# Altium PCB PCB SOM AM625.PcbDoc (part 2 of 6) (continued)
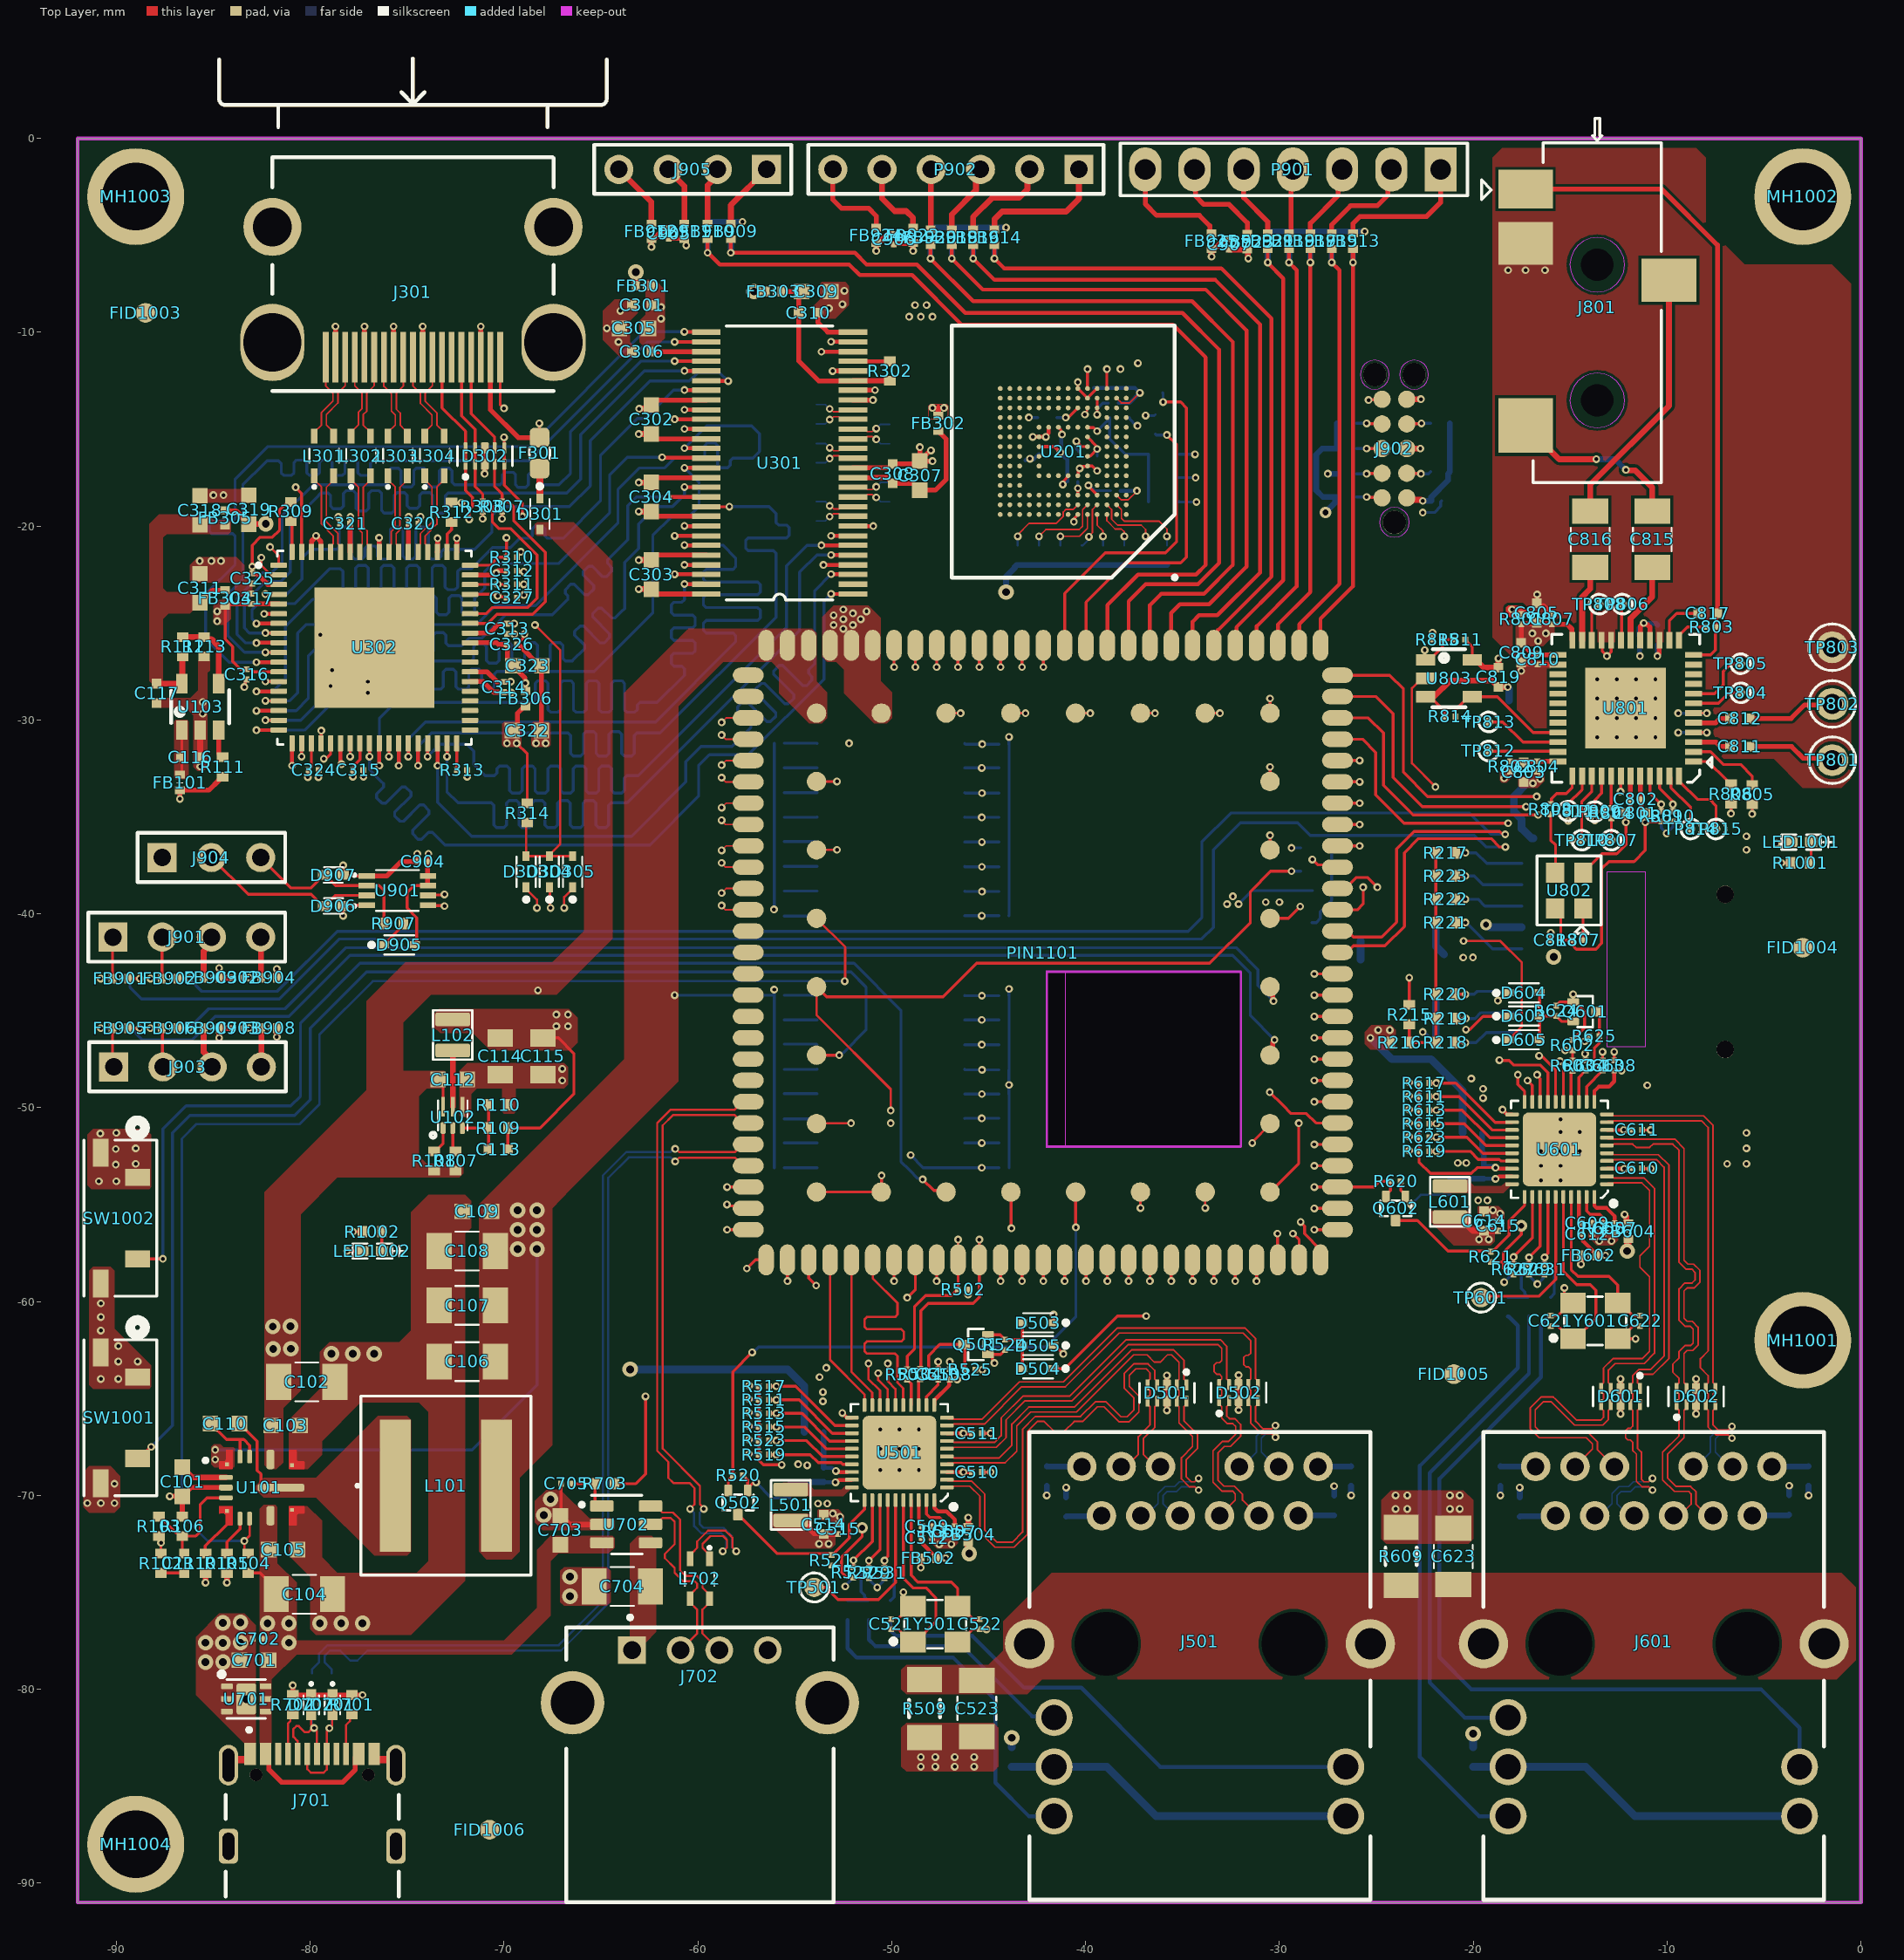
[diagram p0: Top Layer view]
## Part data (continued)
R701 R702: library part AC0402FR-075K1L, "SMD Chip Resistor, 5.1 kOhm, ± 1%, 63 mW, 0402 [1005 Metric], Thick Film, General Purpose", Case/Package=0402, Case Code (Metric)=1005, Manufacturer=Yageo, Max Operating Temperature=155°C, Max Power Dissipation=63mW, Min Operating Temperature=-55°C, Resistance=5.1kR, Supplier Part Number 1=8112408, Temperature Coefficient=100ppm/°C, Tolerance=1%, Voltage Rating=50V, Case Code (Imperial)=0402, Category="Chip SMD Resistors", ComponentLink1Description=https://datasheet.octopart.com/AC0402FR-075K1L-Yageo-datasheet-166720450.pdf?src-supplier=Future+Electronics, ComponentLink1URL=https://datasheet.octopart.com/AC0402FR-075K1L-Yageo-datasheet-166720450.pdf?src-supplier=Future+Electronics, ComponentLink2Description=http://www.yageo.com/documents/recent/PYu-AC_51_RoHS_L_2_revised.pdf?src-supplier=Future+Electronics, ComponentLink2URL=http://www.yageo.com/documents/recent/PYu-AC_51_RoHS_L_2_revised.pdf?src-supplier=Future+Electronics, Features="Moisture Resistant,Automotive AEC-Q200", Height=0.015inch, Lead Free=5697LeadFree, Length=0.039inch, Manufacturer Part Number=AC0402FR-075K1L, Mount="Surface Mount", Number of Terminations=2, Packaging="Cut Tape", Power Rating=63mW, Pricing 1="10000=0.0011, 50000=0.001, 200000=0.0009, 500000=0.0009, 1250000=0.0008 (USD)", RoHS=Yes, RoHS Compliant=Yes, Series=AC, Size Code=0402, Stock 1=10000, Supplier 1="Future Electronics", Width=0.02inch
R703: library part RC0402FR-071KL, "SMD Chip Resistor, 1 kOhm, ± 1%, 63 mW, 0402 [1005 Metric], Thick Film, General Purpose", Case/Package=0402, Case Code (Metric)=1005, Manufacturer=Yageo, Max Operating Temperature=155°C, Max Power Dissipation=63mW, Min Operating Temperature=-55°C, Power Rating=62.5mW, Resistance=1kR, Resistance Tolerance=1%, Resistor Type="Thick Film", Supplier Part Number 1=7825607, Temperature Coefficient=100ppm/°C, Voltage Rating=50V, Case Code (Imperial)=0402, Category="Chip SMD Resistors", ComponentLink1Description=https://datasheet.ciiva.com/11819/0900766b80c66297-11819477.pdf?src-supplier=Rs, ComponentLink1URL=https://datasheet.ciiva.com/11819/0900766b80c66297-11819477.pdf?src-supplier=Rs, ComponentLink2Description=https://datasheet.ciiva.com/7983/1018594-7983502.pdf?src-supplier=Element14, ComponentLink2URL=https://datasheet.ciiva.com/7983/1018594-7983502.pdf?src-supplier=Element14, ComponentLink3Description=https://datasheet.ciiva.com/22747/1018594-22747513.pdf?src-supplier=Element14, ComponentLink3URL=https://datasheet.ciiva.com/22747/1018594-22747513.pdf?src-supplier=Element14, ComponentLink4Description=https://datasheet.ciiva.com/12666/pyu-rc0402-51-rohs-l-6-r-12666741.pdf?src-supplier=Mouser, ComponentLink4URL=https://datasheet.ciiva.com/12666/pyu-rc0402-51-rohs-l-6-r-12666741.pdf?src-supplier=Mouser, ComponentLink5Description=https://datasheet.ciiva.com/7849/1018594-7849869.pdf?src-supplier=Element14, ComponentLink5URL=https://datasheet.ciiva.com/7849/1018594-7849869.pdf?src-supplier=Element14, ComponentLink6Description=https://datasheet.ciiva.com/7849/1018594-7849871.pdf?src-supplier=Element14, ComponentLink6URL=https://datasheet.ciiva.com/7849/1018594-7849871.pdf?src-supplier=Element14, ComponentLink7Description=https://datasheet.ciiva.com/17063/pyu-rc0402-51-rohs-l-6-r-17063193.pdf?src-supplier=Future+Electronics, ComponentLink7URL=https://datasheet.ciiva.com/17063/pyu-rc0402-51-rohs-l-6-r-17063193.pdf?src-supplier=Future+Electronics, Construction=Rectangular, Depth=0.5mm, Features="Moisture Resistant", Height=0.32mm, Length=1mm, Manufacturer Part Number=RC0402FR-071KL, Military Standard=Not, Number of Pins=2, Number of Terminations=2, Packaging="Tape and Reel", Pricing 1="10000=0.0008, 50000=0.0008, 250000=0.0007, 500000=0.0007, 1500000=0.0007 (USD)", Reach SVHC Compliant=No, RoHS=Yes, RoHS Compliant=Yes, Series=RC, Size Code=0402, Stock 1=37960000, Supplier 1="Future Electronics", Technology="THICK FILM", Termination=SMD/SMT, Tolerance=1%, Voltage Rating (AC)=50V, Voltage Rating (DC)=50V, Width=0.5mm
R1001: library part RC0402FR-072K2L, "SMD Chip Resistor, 2.2 kOhm, ± 1%, 63 mW, 0402 [1005 Metric], Thick Film, General Purpose", Case Code (Imperial)=0402, Case Code (Metric)=1005, Manufacturer=Yageo, Max Operating Temperature=155°C, Max Power Dissipation=63mW, Min Operating Temperature=-55°C, Power Rating=62.5mW, Resistance=2.2kR, Resistance Tolerance=1%, Resistor Type="Thick Film", Supplier Part Number 1=6626931, Temperature Coefficient=100ppm/°C, Voltage Rating=50V, Case/Package=0402, Category="Chip SMD Resistors", ComponentLink1Description=https://datasheet.ciiva.com/11808/0900766b80c66297-11808786.pdf?src-supplier=Rs, ComponentLink1URL=https://datasheet.ciiva.com/11808/0900766b80c66297-11808786.pdf?src-supplier=Rs, ComponentLink2Description=https://datasheet.ciiva.com/7983/1018594-7983515.pdf?src-supplier=Element14, ComponentLink2URL=https://datasheet.ciiva.com/7983/1018594-7983515.pdf?src-supplier=Element14, ComponentLink3Description=https://datasheet.ciiva.com/46383/1018594-46383563.pdf?src-supplier=Element14, ComponentLink3URL=https://datasheet.ciiva.com/46383/1018594-46383563.pdf?src-supplier=Element14, ComponentLink4Description=https://datasheet.ciiva.com/12577/pyu-rc0402-51-rohs-l-6-r-12577429.pdf?src-supplier=Mouser, ComponentLink4URL=https://datasheet.ciiva.com/12577/pyu-rc0402-51-rohs-l-6-r-12577429.pdf?src-supplier=Mouser, ComponentLink5Description=https://datasheet.ciiva.com/7849/1018594-7849929.pdf?src-supplier=Element14, ComponentLink5URL=https://datasheet.ciiva.com/7849/1018594-7849929.pdf?src-supplier=Element14, ComponentLink6Description=https://datasheet.ciiva.com/7849/1018594-7849928.pdf?src-supplier=Element14, ComponentLink6URL=https://datasheet.ciiva.com/7849/1018594-7849928.pdf?src-supplier=Element14, ComponentLink7Description=https://datasheet.ciiva.com/16741/pyu-rc0402-51-rohs-l-6-r-16741015.pdf?src-supplier=Future+Electronics, ComponentLink7URL=https://datasheet.ciiva.com/16741/pyu-rc0402-51-rohs-l-6-r-16741015.pdf?src-supplier=Future+Electronics, Construction=Rectangular, Depth=0.5mm, Features="Moisture Resistant", Height=0.35mm, Lead Free="Lead Free", Length=1mm, Manufacturer Part Number=RC0402FR-072K2L, Military Standard=Not, Number of Terminations=2, Packaging="Tape and Reel", Pricing 1="10000=0.0008, 50000=0.0008, 250000=0.0007, 500000=0.0007, 1500000=0.0007 (USD)", Reach SVHC Compliant=No, RoHS=Yes, RoHS Compliant=Yes, Series=RC, Size Code=0402, Stock 1=70000, Supplier 1="Future Electronics", Technology="THICK FILM", Termination=SMD/SMT, Tolerance=1%, Voltage Rating (AC)=50V, Weight=2.3E-05oz, Width=0.5mm
R1002: library part RC0402FR-072K2L, "SMD Chip Resistor, 2.2 kOhm, ± 1%, 63 mW, 0402 [1005 Metric], Thick Film, General Purpose", Case/Package=0402, Case Code (Metric)=1005, Manufacturer=Yageo, Max Operating Temperature=155°C, Max Power Dissipation=63mW, Min Operating Temperature=-55°C, Power Rating=62.5mW, Resistance=2.2kR, Resistance Tolerance=1%, Resistor Type="Thick Film", Supplier Part Number 1=6626931, Temperature Coefficient=100ppm/°C, Voltage Rating=50V, Case Code (Imperial)=0402, Category="Chip SMD Resistors", ComponentLink1Description=https://datasheet.ciiva.com/11808/0900766b80c66297-11808786.pdf?src-supplier=Rs, ComponentLink1URL=https://datasheet.ciiva.com/11808/0900766b80c66297-11808786.pdf?src-supplier=Rs, ComponentLink2Description=https://datasheet.ciiva.com/7983/1018594-7983515.pdf?src-supplier=Element14, ComponentLink2URL=https://datasheet.ciiva.com/7983/1018594-7983515.pdf?src-supplier=Element14, ComponentLink3Description=https://datasheet.ciiva.com/46383/1018594-46383563.pdf?src-supplier=Element14, ComponentLink3URL=https://datasheet.ciiva.com/46383/1018594-46383563.pdf?src-supplier=Element14, ComponentLink4Description=https://datasheet.ciiva.com/12577/pyu-rc0402-51-rohs-l-6-r-12577429.pdf?src-supplier=Mouser, ComponentLink4URL=https://datasheet.ciiva.com/12577/pyu-rc0402-51-rohs-l-6-r-12577429.pdf?src-supplier=Mouser, ComponentLink5Description=https://datasheet.ciiva.com/7849/1018594-7849929.pdf?src-supplier=Element14, ComponentLink5URL=https://datasheet.ciiva.com/7849/1018594-7849929.pdf?src-supplier=Element14, ComponentLink6Description=https://datasheet.ciiva.com/7849/1018594-7849928.pdf?src-supplier=Element14, ComponentLink6URL=https://datasheet.ciiva.com/7849/1018594-7849928.pdf?src-supplier=Element14, ComponentLink7Description=https://datasheet.ciiva.com/16741/pyu-rc0402-51-rohs-l-6-r-16741015.pdf?src-supplier=Future+Electronics, ComponentLink7URL=https://datasheet.ciiva.com/16741/pyu-rc0402-51-rohs-l-6-r-16741015.pdf?src-supplier=Future+Electronics, Construction=Rectangular, Depth=0.5mm, Features="Moisture Resistant", Height=0.35mm, Lead Free="Lead Free", Length=1mm, Manufacturer Part Number=RC0402FR-072K2L, Military Standard=Not, Number of Terminations=2, Packaging="Tape and Reel", Pricing 1="10000=0.0008, 50000=0.0008, 250000=0.0007, 500000=0.0007, 1500000=0.0007 (USD)", Reach SVHC Compliant=No, RoHS=Yes, RoHS Compliant=Yes, Series=RC, Size Code=0402, Stock 1=70000, Supplier 1="Future Electronics", Technology="THICK FILM", Termination=SMD/SMT, Tolerance=1%, Voltage Rating (AC)=50V, Weight=2.3E-05oz, Width=0.5mm
SW401 SW402: "Slide Dip Switch, 8 Switches, 8PST, Latched, 0.025A, 24VDC, Solder Terminal, Surface Mount-straight", Manufacturer="Wurth Electronics", Supplier Part Number 1=732-416131160808CT-ND, Category="DIP Switches", ComponentLink1Description=https://datasheet.ciiva.com/2863/4161311608xx-2863767.pdf?src-supplier=Digi-Key, ComponentLink1URL=https://datasheet.ciiva.com/2863/4161311608xx-2863767.pdf?src-supplier=Digi-Key, ComponentLink2Description=https://datasheet.ciiva.com/2863/4161311608xx-2863768.pdf?src-supplier=Digi-Key, ComponentLink2URL=https://datasheet.ciiva.com/2863/4161311608xx-2863768.pdf?src-supplier=Digi-Key, ComponentLink3Description=https://datasheet.ciiva.com/1528/4161311608xx-1528930.pdf?src-supplier=Element14, ComponentLink3URL=https://datasheet.ciiva.com/1528/4161311608xx-1528930.pdf?src-supplier=Element14, ComponentLink4Description=https://datasheet.ciiva.com/1625/4161311608xx-1625347.pdf?src-supplier=Farnell, ComponentLink4URL=https://datasheet.ciiva.com/1625/4161311608xx-1625347.pdf?src-supplier=Farnell, Manufacturer Part Number=416131160808, Pricing 1="1=6.8, 10=6.579, 50=6.233, 100=5.54, 500=5.19402 (USD)", RoHS=Yes, Stock 1=11089, Supplier 1=Digi-Key
SW1001 SW1002: "Switch Tactile N.O. SPST Rectangular Button Gull Wing 0.05A 12VDC 2.55N SMD", Contact Current Rating=50mA, Manufacturer=E-Switch, Supplier Part Number 1=EG4389CT-ND, Category="Tactile Switches", ComponentLink1Description=https://datasheet.ciiva.com/2900/p010951-2900788.pdf?src-supplier=Digikey, ComponentLink1URL=https://datasheet.ciiva.com/2900/p010951-2900788.pdf?src-supplier=Digikey, ComponentLink2Description=https://datasheet.ciiva.com/5284/tl3330-28043-5284129.pdf?src-supplier=Mouser, ComponentLink2URL=https://datasheet.ciiva.com/5284/tl3330-28043-5284129.pdf?src-supplier=Mouser, ComponentLink3Description=https://datasheet.ciiva.com/2900/tl3330-2900789.pdf?src-supplier=Digikey, ComponentLink3URL=https://datasheet.ciiva.com/2900/tl3330-2900789.pdf?src-supplier=Digikey, ComponentLink4Description=https://datasheet.ciiva.com/2900/tl3330-2900790.pdf?src-supplier=Digikey, ComponentLink4URL=https://datasheet.ciiva.com/2900/tl3330-2900790.pdf?src-supplier=Digikey, Height=3.75mm, Manufacturer Part Number=TL3330AF260QG, Number of Positions=2NUMBER, Pricing 1="1=0.51, 10=0.488, 25=0.47, 100=0.4068, 250=0.3706, 500=0.3435, 1000=0.30734 (USD)", RoHS=Yes, Stock 1=112482, Supplier 1=Digikey
TP501 TP601: library part "Test Point", "Test Point", Solder=NF
TP801 TP802 TP803: library part TESTPOINT, "TESTPOINT 1.0MM DRILL PTH", Mfr_Name=LOCAL, Mfr_part_number=TP_40X65, Mistral Part No=130009030938, Package=THRU-HOLE, Chkd/date=MAZHAR/271211, Crtd /date=SHREESHAIL/041005, Datasheet=NA, Distributor_name=NA, Distributor_part_number=NA, Height=NA, Library Ref=TESTPOINT, Part_type=TESTPOINT, PCB Footprint=TP_40X65, Project=HSE
TP804 TP805 TP806 TP807 TP808 TP809 TP810 TP811 TP812 TP813 TP814 TP815: library part TESTPOINT_1, "TESTPOINT CIR 20 SMD", Mfr_Name=LOCAL, Mistral Part No=NA, Package=SMD, Chkd/date=SHREESHAIL/171006, Crtd /date=MAZHAR/171006, Custom_Duty=NA, Customs_HS_Code=NA, Datasheet=NA, Distributor_name=NA, Distributor_part_number=NA, Footprint Path=Y:\MIS_DATABASE\Library\ALTIUM_TOOL\PCB_FOOTPRINTS\Altium_Footprint_Lib.PcbLib, Footprint Ref=TP20_SMD, Height=NA, Library Path=Y:\MIS_DATABASE\Library\ALTIUM_TOOL\SCHEMATICS_PARTS\MS_DISCRETE_Library.schlib, Library Ref=TESTPOINT, MECHANICAL 3D STEP FILE=NA, Mfr_part_number=TP20_SMD, Part_type=TESTPOINT, PCB Footprint=TP20_SMD, Project="BT MODULE_CSRBC04", RoHS=NA, Temperature=NA, Tolerance=NA, VOLTAGE=NA, Wattage=NA, Weight=NA
U101: "Automotive 3-V to 36-V, 6-A, low-noise synchronous step-down converter 14-VQFN-HR -40 to 150", Manufacturer="Texas Instruments", Supplier Part Number 1=296-LM61460AANQRJRRQ1TR-ND, Category="Voltage Regulators - Switching", Manufacturer Part Number=LM61460AANQRJRRQ1, Pricing 1="3000=2.37092 (USD)", RoHS=Yes, Supplier 1=Digi-Key
U102: "2.5-V to 5.5-V input, 4-A step-down converter with 1% output accuracy in 1.5-mm x 1.5-mm QFN package 6-VSON-HR -40 to...", Manufacturer="Texas Instruments", Supplier Part Number 1=296-TLV62595DMQRCT-ND, Category="Voltage Regulators - Switching", Manufacturer Part Number=TLV62595DMQR, Pricing 1="1=0.87, 10=0.767, 25=0.72, 100=0.5877, 250=0.54592, 500=0.4646, 1000=0.37168 (USD)", RoHS=Yes, Stock 1=8309, Supplier 1=Digi-Key
U103: "Adjustable 500-mA low-dropout (LDO) regulator 5-SOT-23 -40 to 125", Case/Package=SOT-23-5, Dropout Voltage=720mV, Manufacturer="Texas Instruments", Max Input Voltage=6V, Max Operating Temperature=125°C, Max Output Voltage=5.5V, Min Operating Temperature=-40°C, Min Output Voltage=550mV, Min Supply Voltage=1.5V, Nominal Supply Current=25uA, Output Current=500mA, Power Supply Rejection Ratio (PSRR)=30dB, Quiescent Current=35uA, Supplier Part Number 1=595-TLV75801PDBVR, Accuracy=0.7%, Category="Voltage Regulators - Linear", ComponentLink1Description=http://www.ti.com/general/docs/suppproductinfo.tsp?distId=10&amp;gotoUrl=http%3A%2F%2Fwww.ti.com%2Flit%2Fgpn%2Ftlv758p&src-supplier=Digi-Key, ComponentLink1URL=http://www.ti.com/general/docs/suppproductinfo.tsp?distId=10&amp;gotoUrl=http%3A%2F%2Fwww.ti.com%2Flit%2Fgpn%2Ftlv758p&src-supplier=Digi-Key, Height=1.45mm, Length=2.9mm, Manufacturer Part Number=TLV75801PDBVR, Max Supply Voltage=6V, Mount="Surface Mount", Number of Channels=1NUMBER, Number of Outputs=1NUMBER, Number of Pins=5NUMBER, Number of Regulators=1, Output Configuration=Positive, Output Type=Adjustable, Pricing 1="1=0.35, 10=0.261, 50=0.261, 100=0.146, 1000=0.11, 10000=0.088 (USD)", RoHS=Yes, Series=-, Stock 1=49798, Supplier 1=Mouser, Thickness=1.2mm, Width=1.6mm
U201: library part KLMAG1JETD-B041, "eMMC 5.1 BGA-153 eMMC ROHS", ComponentLink1Description=https://datasheet.lcsc.com/lcsc/2007011825_Samsung-KLMAG1JETD-B041_C499919.pdf, ComponentLink1URL=https://datasheet.lcsc.com/lcsc/2007011825_Samsung-KLMAG1JETD-B041_C499919.pdf
U202: "IC SINGLE CHANNEL LOAD SWITCH", Manufacturer="Texas Instruments", Max Supply Voltage=5.5V, Min Supply Voltage=1V, Output Current=2A, Supplier Part Number 1=595-TPS22918DBVR, Category="Power Management ICs", ComponentLink1Description=http://www.ti.com/lit/gpn/tps22918?src-supplier=Mouser, ComponentLink1URL=http://www.ti.com/lit/gpn/tps22918?src-supplier=Mouser, ComponentLink2Description=http://www.ti.com/lit/ds/symlink/tps22918.pdf?src-supplier=Digi-Key, ComponentLink2URL=http://www.ti.com/lit/ds/symlink/tps22918.pdf?src-supplier=Digi-Key, ComponentLink3Description=http://www.ti.com/general/docs/suppproductinfo.tsp?distId=10&amp;gotoUrl=http%3A%2F%2Fwww.ti.com%2Flit%2Fgpn%2Ftps22918&src-supplier=Digi-Key, ComponentLink3URL=http://www.ti.com/general/docs/suppproductinfo.tsp?distId=10&amp;gotoUrl=http%3A%2F%2Fwww.ti.com%2Flit%2Fgpn%2Ftps22918&src-supplier=Digi-Key, Height=1.45mm, Length=2.9mm, Manufacturer Part Number=TPS22918DBVR, Number of Pins=6NUMBER, Pricing 1="1=0.53, 10=0.454, 50=0.454, 100=0.34, 500=0.267, 1000=0.207, 3000=0.197, 10000=0.197 (USD)", RoHS=Yes, Stock 1=70571, Supplier 1=Mouser, Thickness=1.2mm, Width=1.6mm
U301: "0/5 Receiver  LVDS 56-TSSOP", Case/Package=TSSOP, Manufacturer="Texas Instruments", Max Operating Temperature=70°C, Min Operating Temperature=0°C, Operating Supply Voltage=3.3V, Package Quantity=1, Power Dissipation=1.377W, Supplier Part Number 1=595-SN75LVDS82DGGR, Category="Interface ICs", ComponentLink1Description=https://datasheet.ciiva.com/3153/sn75lvds82-3153173.pdf?src-supplier=Avnet, ComponentLink1URL=https://datasheet.ciiva.com/3153/sn75lvds82-3153173.pdf?src-supplier=Avnet, ComponentLink2Description=https://datasheet.ciiva.com/1706/sn75lvds82-1706762.pdf?src-supplier=Digi-Key, ComponentLink2URL=https://datasheet.ciiva.com/1706/sn75lvds82-1706762.pdf?src-supplier=Digi-Key, ComponentLink3Description=https://datasheet.ciiva.com/1706/sn75lvds82-1706763.pdf?src-supplier=Digi-Key, ComponentLink3URL=https://datasheet.ciiva.com/1706/sn75lvds82-1706763.pdf?src-supplier=Digi-Key, ComponentLink4Description=https://datasheet.ciiva.com/1706/sn75lvds82-1706764.pdf?src-supplier=Digi-Key, ComponentLink4URL=https://datasheet.ciiva.com/1706/sn75lvds82-1706764.pdf?src-supplier=Digi-Key, ComponentLink5Description=https://datasheet.ciiva.com/41461/001187617-da-01-en-ic-flatlink-sn75lvds82dggr-tssop-56-tid-41461068.pdf?src-supplier=Conrad, ComponentLink5URL=https://datasheet.ciiva.com/41461/001187617-da-01-en-ic-flatlink-sn75lvds82dggr-tssop-56-tid-41461068.pdf?src-supplier=Conrad, Data Rate=238Mbps, Lead Free="Lead Free", Manufacturer Part Number=SN75LVDS82DGGR, Number of Drivers=28, Number of Elements=4, Number of Pins=56, Number of Receivers=4, Packaging="Tape and Reel", Pricing 1="1=5.58, 10=4.78, 50=4.78, 100=4.11, 1000=2.93, 10000=2.82 (USD)", Radiation Hardening=No, RoHS=Yes, RoHS Compliant=Yes, Series=FlatLink™, Stock 1=10721, Supplier 1=Mouser, Weight=0.008229oz
U302: "24-Bit RGB Input HDMI 1.4a Transmitter, 1080p@60Hz, no HDCP, 72-pin QFN", Manufacturer="Lattice Semiconductor", Manufacturer Part Number=SII9022ACNU, Pricing 1="168=4.497, 504=4.493, 1008=4.489, 2520=4.485, 5040=4.481, 105000=4.477 (USD)", RoHS=No, Stock 1=672, Supplier 1="Arrow Electronics", Supplier Part Number 1=SII9022ACNU
U501 U601: "IC, Interface, Ethernet, RTL8211F-VD-CG, QFN-40(5*5)", Manufacturer=Realtek, Manufacturer PN=RTL8211F-VD-CG, Package Size=QFN-40(5*5), CLASS=IC, Company Part Status=BeagleV-Ahead, Part Reference=U6, PCB Footprint=qfn40_0D4_5x5mm, PN=310991199
U701: "Diode TVS Single Uni-Dir 5V 400W 6-Pin WSON EP T/R", Manufacturer="Texas Instruments", Max Operating Temperature=125°C, Min Breakdown Voltage=7.5V, Min Operating Temperature=-40°C, Peak Pulse Current=43A, Peak Pulse Power=400W, Power Line Protection=No, Reverse Standoff Voltage=5V, Supplier Part Number 1=595-TVS0500DRVR, Category="TVS Diodes", ComponentLink1Description=http://www.ti.com/lit/ds/symlink/tvs0500.pdf?src-supplier=Digi-Key, ComponentLink1URL=http://www.ti.com/lit/ds/symlink/tvs0500.pdf?src-supplier=Digi-Key, ComponentLink2Description=http://www.ti.com/lit/ds/symlink/tvs0500.pdf?src-supplier=Farnell, ComponentLink2URL=http://www.ti.com/lit/ds/symlink/tvs0500.pdf?src-supplier=Farnell, Diode Type=ZENER, Manufacturer Part Number=TVS0500DRVR, Mount="Surface Mount", Number of Channels=1, Number of Unidirectional Channels=1, Packaging="Cut Tape", Pricing 1="1=0.62, 10=0.533, 50=0.533, 100=0.371, 500=0.29, 1000=0.235, 3000=0.195, 9000=0.19, 10000=0.19, 24000=0.18 (USD)", RoHS=Yes, RoHS Compliant=Yes, Series=-, Stock 1=8389, Supplier 1=Mouser
U702: "Current-limit switch and D+/D– ESD protection for USB Host ports 6-SOT-23 -40 to 85", Manufacturer="Texas Instruments", Supplier Part Number 1=595-TPD3S014DBVR, Category="Integrated Circuits (ICs)", ComponentLink1Description=http://www.ti.com/lit/gpn/tpd3s014?src-supplier=Mouser, ComponentLink1URL=http://www.ti.com/lit/gpn/tpd3s014?src-supplier=Mouser, ComponentLink2Description=http://www.ti.com/general/docs/lit/getliterature.tsp?genericPartNumber=TPD3S014&&fileType=pdf&src-supplier=Element14, ComponentLink2URL=http://www.ti.com/general/docs/lit/getliterature.tsp?genericPartNumber=TPD3S014&&fileType=pdf&src-supplier=Element14, ComponentLink3Description=http://www.ti.com/lit/ds/symlink/tpd3s014.pdf?src-supplier=Digi-Key, ComponentLink3URL=http://www.ti.com/lit/ds/symlink/tpd3s014.pdf?src-supplier=Digi-Key, ComponentLink4Description=http://www.ti.com/general/docs/lit/getliterature.tsp?genericPartNumber=TPD3S044&&fileType=pdf&src-supplier=Avnet, ComponentLink4URL=http://www.ti.com/general/docs/lit/getliterature.tsp?genericPartNumber=TPD3S044&&fileType=pdf&src-supplier=Avnet, ComponentLink5Description=http://www.ti.com/general/docs/lit/getliterature.tsp?genericPartNumber=TPD3S014&&fileType=pdf&src-supplier=Farnell, ComponentLink5URL=http://www.ti.com/general/docs/lit/getliterature.tsp?genericPartNumber=TPD3S014&&fileType=pdf&src-supplier=Farnell, Manufacturer Part Number=TPD3S014DBVR, Pricing 1="1=1.13, 10=0.924, 50=0.924, 100=0.719, 1000=0.497, 10000=0.424 (USD)", RoHS=Yes, Stock 1=21420, Supplier 1=Mouser
U801: library part TLV320AIC3204IRHBR, "Very-Low-Power Stereo Audio CODEC With PowerTune Technology 32-VQFN -40 to 85", Manufacturer="Texas Instruments", Supplier Part Number 1=595-V320AIC3204IRHBR, Category="Amplifiers - Audio", ComponentLink1Description=https://datasheet.ciiva.com/1148/tlv320aic3204-1148166.pdf?src-supplier=Newark, ComponentLink1URL=https://datasheet.ciiva.com/1148/tlv320aic3204-1148166.pdf?src-supplier=Newark, ComponentLink2Description=https://datasheet.ciiva.com/1141/1764454-1141057.pdf?src-supplier=Element14, ComponentLink2URL=https://datasheet.ciiva.com/1141/1764454-1141057.pdf?src-supplier=Element14, ComponentLink3Description=https://datasheet.ciiva.com/26913/getdatasheetpartid-301856-26913275.pdf?src-supplier=Verical, ComponentLink3URL=https://datasheet.ciiva.com/26913/getdatasheetpartid-301856-26913275.pdf?src-supplier=Verical, ComponentLink4Description=https://datasheet.ciiva.com/28421/1887548-28421445.pdf?src-supplier=Element14, ComponentLink4URL=https://datasheet.ciiva.com/28421/1887548-28421445.pdf?src-supplier=Element14, ComponentLink5Description=https://datasheet.ciiva.com/1691/tlv320aic3204-1691483.pdf?src-supplier=Digi-Key, ComponentLink5URL=https://datasheet.ciiva.com/1691/tlv320aic3204-1691483.pdf?src-supplier=Digi-Key, ComponentLink6Description=https://datasheet.ciiva.com/1691/tlv320aic3204-1691484.pdf?src-supplier=Digi-Key, ComponentLink6URL=https://datasheet.ciiva.com/1691/tlv320aic3204-1691484.pdf?src-supplier=Digi-Key, ComponentLink7Description=https://datasheet.ciiva.com/1691/tlv320aic3204-1691485.pdf?src-supplier=Digi-Key, ComponentLink7URL=https://datasheet.ciiva.com/1691/tlv320aic3204-1691485.pdf?src-supplier=Digi-Key, Manufacturer Part Number=TLV320AIC3204IRHBR, Pricing 1="1=4.76, 10=4.28, 50=4.28, 100=3.5, 1000=2.51, 10000=2.39 (USD)", RoHS=Yes, Stock 1=4883, Supplier 1=Mouser
U802: library part "XTAL OSC XO 12.2880MHZ CMOS SMD", "12.288 MHz XO (Standard) CMOS Oscillator 1.71V ~ 3.63V Standby (Power Down) 4-SMD, No Lead", Manufacturer="Kyocera AVX", Manufacturer Part Number=KC2520Z12.2880C1KX00, Supplier Part Number 1=478-KC2520Z12.2880C1KX00CT-ND, Pricing 1="1=1.21, 10=1.066, 50=0.9966, 100=0.8806, 500=0.8343, 1000=0.69525 (USD)", RoHS=No, Stock 1=9396, Supplier 1=Digikey
U803: "Single 2-input, 1.65-V to 5.5-V AND gate 5-SOT-23 -40 to 125", Case/Package=SOT-23-5, High Level Output Current=-32mA, Low Level Output Current=32mA, Manufacturer="Texas Instruments", Max Operating Temperature=125°C, Max Supply Voltage=5.5V, Min Operating Temperature=-40°C, Min Supply Voltage=1.65V, Package Quantity=3000, Quiescent Current=10uA, Supplier Part Number 1=595-SN74LVC1G08DBRE4, Category="Logic Gates", ComponentLink1Description=https://datasheet.ciiva.com/18572/sn74lvc1g08-18572331.pdf?src-supplier=Digi-Key, ComponentLink1URL=https://datasheet.ciiva.com/18572/sn74lvc1g08-18572331.pdf?src-supplier=Digi-Key, ComponentLink2Description=https://datasheet.ciiva.com/18572/sn74lvc1g08-18572330.pdf?src-supplier=Digi-Key, ComponentLink2URL=https://datasheet.ciiva.com/18572/sn74lvc1g08-18572330.pdf?src-supplier=Digi-Key, ComponentLink3Description=https://datasheet.ciiva.com/18572/sn74lvc1g08-18572332.pdf?src-supplier=Digi-Key, ComponentLink3URL=https://datasheet.ciiva.com/18572/sn74lvc1g08-18572332.pdf?src-supplier=Digi-Key, ComponentLink4Description=https://datasheet.ciiva.com/4818/sces217y-471056-4818205.pdf?src-supplier=Mouser, ComponentLink4URL=https://datasheet.ciiva.com/4818/sces217y-471056-4818205.pdf?src-supplier=Mouser, ComponentLink5Description=https://datasheet.ciiva.com/14312/sn74lvc1g08-14312069.pdf?src-supplier=Avnet, ComponentLink5URL=https://datasheet.ciiva.com/14312/sn74lvc1g08-14312069.pdf?src-supplier=Avnet, ComponentLink6Description=https://datasheet.ciiva.com/15221/getdatasheetpartid-394152-15221709.pdf?src-supplier=Verical, ComponentLink6URL=https://datasheet.ciiva.com/15221/getdatasheetpartid-394152-15221709.pdf?src-supplier=Verical, Lead Free="Lead Free", Logic Function="AND GATE", Manufacturer Part Number=SN74LVC1G08DBVRE4, Mount="Surface Mount", Number of Bits=1, Number of Circuits=1, Number of Elements=1, Number of Gates=1, Number of Input Lines=2, Number of Inputs=2, Number of Output Lines=1, Number of Outputs=1, Number of Pins=5, Output Current=32mA, Packaging="Tape and Reel", Pricing 1="1=0.41, 10=0.317, 50=0.317, 100=0.197, 1000=0.128, 10000=0.102 (USD)", Propagation Delay=4ns, Radiation Hardening=No, Reach SVHC Compliant=No, RoHS=Yes, RoHS Compliant=Yes, Series=74LVC, Stock 1=9321, Supplier 1=Mouser, Technology=CMOS, Turn-On Delay Time=4.5ns, Weight=0.000557oz
U901: "Buffer, Non-Inverting 2 Element 1 Bit per Element Push-Pull Output US8", Manufacturer="Texas Instruments", Supplier Part Number 1=595-SN74LVC2G241DCUR, Category="Buffers, Drivers and Transceivers", ComponentLink1Description=https://datasheet.ciiva.com/15095/getdatasheetpartid-196853-15095029.pdf?src-supplier=Verical, ComponentLink1URL=https://datasheet.ciiva.com/15095/getdatasheetpartid-196853-15095029.pdf?src-supplier=Verical, ComponentLink2Description=https://datasheet.ciiva.com/1833/sn74lvc2g241-1833955.pdf?src-supplier=Digi-Key, ComponentLink2URL=https://datasheet.ciiva.com/1833/sn74lvc2g241-1833955.pdf?src-supplier=Digi-Key, ComponentLink3Description=https://datasheet.ciiva.com/1833/sn74lvc2g241-1833956.pdf?src-supplier=Digi-Key, ComponentLink3URL=https://datasheet.ciiva.com/1833/sn74lvc2g241-1833956.pdf?src-supplier=Digi-Key, ComponentLink4Description=https://datasheet.ciiva.com/1833/sn74lvc2g241-1833957.pdf?src-supplier=Digi-Key, ComponentLink4URL=https://datasheet.ciiva.com/1833/sn74lvc2g241-1833957.pdf?src-supplier=Digi-Key, ComponentLink5Description=https://datasheet.ciiva.com/48702/001073977-da-01-en-ic-buff-dvr-tr-sn74lvc2g241dcur-us-8-tid-48702679.pdf?src-supplier=Conrad, ComponentLink5URL=https://datasheet.ciiva.com/48702/001073977-da-01-en-ic-buff-dvr-tr-sn74lvc2g241dcur-us-8-tid-48702679.pdf?src-supplier=Conrad, Manufacturer Part Number=SN74LVC2G241DCUR, Pricing 1="1=0.57, 10=0.473, 50=0.473, 100=0.355, 1000=0.23, 10000=0.182 (USD)", RoHS=Yes, Stock 1=7164, Supplier 1=Mouser
Y501 Y601: library part LFXTAL055299, "Crystal, 25MHZ, 18PF, SMD", Manufacturer=IQD, Supplier Part Number 1=1923-LFXTAL055299CT-ND, ComponentLink1Description=https://datasheet.ciiva.com/46419/1853066-46419804.pdf?src-supplier=Element14, ComponentLink1URL=https://datasheet.ciiva.com/46419/1853066-46419804.pdf?src-supplier=Element14, Manufacturer Part Number=LFXTAL055299, Pricing 1="1=0.75, 10=0.66, 50=0.6168, 100=0.545, 500=0.51632, 1000=0.43026 (USD)", RoHS=Yes, Stock 1=46105, Supplier 1=Digi-Key

## Via types
v1: diameter 0.4, hole 0.2, Top Layer to Bottom Layer, tented both sides, 699 vias
v2: diameter 0.8, hole 0.4, Top Layer to Bottom Layer, tented both sides, 41 vias
v3: diameter 0.6, hole 0.3, Top Layer to Bottom Layer, tented both sides, 4 vias

## Nets (pads, with @x,y where several pads share a name; then routed paths per layer and width w, separated by ;. In a path a pad name is that pad's centre, name@x,y a point inside that pad or via, vN(x,y) a via of type N, cw(c..) or ccw(c..) an arc to the next point about the centre after c; other vN are vias at no path point)
+1V2_HDMI_AVCC: C319.1 C320.1 C321.1 FB305.2 U302.60 U302.66 | length 6
  Top Layer w0.15: C321.1@-77.935,-19.875 -77.93,-19.87 -77.93,-19.53 v1(-77.925,-19.525) ; C320.1@-74.94,-19.875 -74.932,-19.867 -74.932,-19.533 v1(-74.925,-19.525)
  Top Layer w0.25: U302.66@-77.939,-21.334 -77.937,-21.332 -77.937,-19.877 C321.1@-77.935,-19.875 ; U302.60@-74.939,-21.334 C320.1@-74.94,-19.875
  Top Layer w0.3: FB305.2@-84.389,-19.184 -84.339,-19.234 -83.839,-19.234 C319.1@-83.164,-19.909 -83.152,-19.897 -82.302,-19.897 v2(-82.289,-19.884)
+1V2_HDMI_CVCC: C312.1 C313.1 C314.1 C315.1 C316.1 C317.1 FB304.2 U302.5 U302.12 U302.26 U302.42 U302.47 U302.53 | length 17.1
  Top Layer w0.15: FB304.2@-84.339,-24.109 FB304.2@-84.389,-24.109 -84.389,-25.836 -84,-26.225 -84,-26.975 -83.59,-27.385 C316.1@-83.275,-27.385 -83.26,-27.4 -83.025,-27.4 -82.906,-27.519 U302.12@-81.624,-27.519 ; v1(-77.8,-32.925) -77.795,-32.92 -77.795,-32.58 -77.722,-32.507 -77.722,-32.325 -77.439,-32.043 U302.26@-77.439,-31.204 ; C313.1@-69.85,-25.035 C313.1@-69.845,-25.03 ; v1@-69.48,-25.03 v1(-69.475,-25.025)
  Top Layer w0.25: FB304.2@-84.339,-24.109 -84.24,-24.01 C317.1@-83.045,-24.01 -83.04,-24.015 -81.629,-24.015 U302.5@-81.624,-24.019 ; U302.42@-71.754,-28.019 -71.081,-28.019 -70.535,-28.565 C314.1@-70,-28.565 -69.985,-28.58 -69.656,-28.58 v1(-69.641,-28.595) ; U302.47@-71.754,-25.519 -70.744,-25.519 -70.26,-25.035 C313.1@-69.85,-25.035 ; U302.53@-71.754,-22.519 -70.519,-22.519 -70.3,-22.3 C312.1@-69.865,-22.3 ; C313.1@-69.845,-25.03 v1@-69.48,-25.03
  other v1: -84.8,-24.9 -84.8,-24.4 -70.4,-22.425
+5V_USB_A: C704.1 J702.1 U702.4
+AVDD1_1_GBE: C509.1 C510.1 C511.1 C512.1 FB502.1 U501.3 U501.8 U501.38 | length 6.4
  Top Layer w0.2: U501.38@-48.6,-70.25 -48.6,-71.437 -48.437,-71.6 -48.437,-72.2 -48.406,-72.23 -48.406,-72.494 -47.7,-73.2 FB502.1@-47.7,-73.25 ; U501.3@-47.15,-68.8 C510.1@-45.865,-68.8 ; U501.8@-47.15,-66.8 C511.1@-45.865,-66.8
  Top Layer w0.3: FB502.1@-47.7,-73.24 v1(-47.225,-73.24)
  other v1: -46.3,-68.8 -46.3,-66.8
+AVDD1_2_GBE: C507.1 C508.1 FB504.1 U501.11 U501.40 | length 5.3
  Top Layer w0.15: C508.1@-47.005,-64.025 v1(-46.625,-64.025)
  Top Layer w0.2: U501.11@-47.805,-65.345 -47.805,-65.095 -47.795,-65.095 -47.027,-64.327 -47.027,-64.047 C508.1@-47.005,-64.025 ; U501.40@-47.8,-70.25 -47.8,-70.649 -47.624,-70.825 -47.175,-70.825 -46.75,-71.25 -46.75,-71.613 -46.744,-71.619 -46.056,-71.619 FB504.1@-46.05,-71.625
  Top Layer w0.3: FB504.1@-46.051,-71.624 v1(-46.051,-71.149)
+AVDD2_1_GBE: C609.1 C610.1 C611.1 C612.1 FB602.1 U601.3 U601.8 U601.38 | length 6.4
  Top Layer w0.2: U601.38@-14.545,-54.605 -14.545,-55.792 -14.382,-55.955 -14.382,-56.555 -14.351,-56.585 -14.351,-56.874 -13.65,-57.575 FB602.1@-13.65,-57.625 ; U601.3@-13.095,-53.155 C610.1@-11.81,-53.155 ; U601.8@-13.095,-51.155 C611.1@-11.81,-51.155
  Top Layer w0.3: FB602.1@-13.65,-57.625 v1(-13.175,-57.625)
  other v1: -12.2,-53.15 -12.225,-51.15
+AVDD2_2_GBE: C607.1 C608.1 FB604.1 U601.11 U601.40 | length 6.1
  Top Layer w0.15: C608.1@-12.725,-48.09 v1(-12.345,-48.09)
  Top Layer w0.2: U601.11@-13.75,-49.7 -13.75,-49.15 -13.525,-48.925 -13,-48.925 -12.725,-48.65 C608.1@-12.725,-48.09 ; U601.40@-13.75,-54.6 -13.75,-55.063 -13.633,-55.18 -13.12,-55.18 -12.695,-55.605 -12.695,-55.968 -12.689,-55.974 FB604.1@-12.001,-55.974
  Top Layer w0.3: v1(-12.191,-55.514) -12.191,-55.541 -12.1,-55.632 -12.1,-55.925 -12.051,-55.974 FB604.1@-12.001,-55.974
+VDD_1V2: C117.1 C311.1 C318.1 FB304.1 FB305.1 R112.2 U103.5 | length 4.3
  Top Layer w0.25: C311.1@-85.689,-23.959 -85.039,-23.309 FB304.1@-84.389,-23.309
  Top Layer w0.3: C117.1@-87.925,-28.125 U103.5@-86.625,-28.125 -86.6,-28.1 -86.6,-26.75 R112.2@-86.575,-26.725
+VDD_1V8: C113.2 C114.2 C115.2 C206.1 C207.1 C208.1 C209.1 C210.1 C211.1 L102.2 R109.2 R201.2 R202.2 R203.2 R204.2 R205.2 R206.2 R207.2 R208.2 R209.2 R216.1 R501.2 R601.2 R802.1 U201.C6 U201.M4 U201.N4 U201.P3 U201.P5 | length 83.8
  Top Layer w0.15: C113.2@-69.8,-52.15 R109.2@-69.8,-51.05 -68.15,-51.05 -66.4,-49.3 -66.4,-47.2 -67.2,-46.4 C115.2@-68,-46.4 ; U201.C6@-40.4,-18.4 v1(-40.4,-18.05) ; U201.P5@-39.9,-12.9 v1(-39.9,-11.9) ; v1(-39.4,-14.25) U201.M4@-39.4,-13.9 U201.N4@-39.4,-13.4 ; U201.P3@-38.9,-12.9 v1(-38.9,-11.9)
  Layer 3 w0.4: v1(-24.3,-46) -24.3,-45.4 -22,-43.1 -16.725,-43.1 v2(-15.85,-42.225)
  Layer 4 w0.3: v1(-66.7,-45.8) -65.8,-46.7 -65.8,-62.1 -64.4,-63.5 v2(-63.5,-63.5)
  Layer 4 w0.4: v1(-18.4,-33) -19.2,-33.8 -19.2,-36.775 -17.825,-38.15 -17.825,-40.25 v2(-15.85,-42.225)
  Bottom Layer w0.15: C210.1@-40.41,-17.7 -40.405,-17.705 -40.405,-18.045 v1(-40.4,-18.05) ; v1@-39.399,-14.249 -39.399,-13.949 -39.112,-13.662 -38.837,-13.662 C208.1@-38.825,-13.65
  Bottom Layer w0.3: v2(-44.1,-23.4) -44.1,-22.6 -43.65,-22.15 -43.65,-22.1 -43.55,-22 R201.2@-43.5,-22 R202.2@-42.4,-22 R206.2@-41.3,-22 R203.2@-40.2,-22 R207.2@-39.1,-22 R208.2@-38,-22 R204.2@-36.9,-22 R205.2@-35.8,-22
  Bottom Layer w0.4: v2(-63.5,-63.5) -55.375,-63.5 -54.505,-64.37 R501.2@-54.505,-66.72 ; v1(-25.3,-46.4) -24.2,-47.5 -22.175,-47.5 -20.55,-49.125 R601.2@-20.55,-51.3
  other v1: -24.9,-46 -67.3,-45.8 -67.3,-45.2 -66.7,-45.2 -38.2,-11.9 -37.3,-11.6
+VDD_1V8_AUD: C803.1 C804.1 R802.2 U801.36 | length 2.5
  Top Layer w0.25: R802.2@-18.1,-32.135 -18.096,-32.139 -15.636,-32.139 U801.36@-15.631,-32.144
+VDD_3V3: C106.2 C107.2 C108.2 C109.2 C201.1 C202.1 C203.1 C204.1 C205.1 C213.1 C322.1 C901.1 C902.1 C903.1 C904.1 C905.1 C906.1 C907.1 D905.1 FB101.1 FB301.1 FB302.1 FB303.1 FB306.2 FB501.1 FB504.2 FB601.1 FB604.2 FB903.2 FB907.2 FB911.2 FB922.2 FB923.2 J902.1 L101.2 PIN1101.55 PIN1101.56 PIN1101.57 PIN1101.116 Q501.1 Q502.1 Q601.1 Q602.1 R101.2 R102.2 R103.2 R111.2 R210.2 R214.2 R314.2 R401.2 R402.2 R403.2 R404.2 R405.2 R406.2 R407.2 R408.2 R409.2 R410.2 R411.2 R412.2 R413.2 R414.2 R415.2 R416.2 R502.2 R520.2 R524.2 R602.2 R620.2 R624.2 R801.1 R901.2 R902.2 R903.2 R904.2 R905.2 R1002.2 U101.1 U201.E6 U201.F5 U201.J10 U201.K9 U202.1 U901.7 U901.8 | length 141.8
  Top Layer w0.08: Q602.1@-23.5,-54.58 -23.5,-54.685 -23.211,-54.974 v1(-23.211,-55)
  Top Layer w0.15: R102.2@-87.7,-72.9 v1(-87.7,-72.45) R103.2@-87.7,-72 ; v1(-77.8,-56.4) R1002.2@-77.3,-56.4 ; D905.1@-74.5,-41.6 -74.5,-40.2 -75,-39.7 -75,-38.9 -74.65,-38.55 U901.7@-73.924,-38.55 ; v1(-69.35,-31.2) -68.8,-31.75 R314.2@-68.8,-34.3 ; R520.2@-57.66,-68.975 -57.425,-69.21 Q502.1@-57.425,-69.645 ; Q502.1@-57.425,-69.755 Q502.1@-57.425,-69.645 ; v1(-57,-69.33) -57.048,-69.378 -57.158,-69.378 Q502.1@-57.425,-69.645 ; Q501.1@-45.035,-62.72 -44.935,-62.72 Q501.1@-44.93,-62.725 ; v1(-44.7,-63.175) -44.7,-63.107 -44.81,-62.997 -44.81,-62.845 Q501.1@-44.93,-62.725 ; R524.2@-44.15,-62.505 -44.37,-62.725 Q501.1@-44.93,-62.725 ; U201.E6@-40.4,-17.4 -40.381,-17.381 -40.381,-17.174 -40.3,-17.093 v1(-40.3,-17.025) -40.194,-16.919 -39.919,-16.919 U201.F5@-39.9,-16.9 -39.65,-16.9 v1(-39.4,-17.15) ; R620.2@-23.735,-53.8 -23.735,-54.267 -23.647,-54.355 -23.625,-54.355 -23.5,-54.48 Q602.1@-23.5,-54.58 ; R624.2@-15.725,-44.745 -15.53,-44.55 Q601.1@-14.845,-44.55 ; R602.2@-14.875,-46.51 -14.25,-45.885 -14.25,-45.045 -14.745,-44.55 Q601.1@-14.845,-44.55 ; v1(-14.845,-44.155) Q601.1@-14.845,-44.55
  Top Layer w0.2: C905.1@-61.5,-5.165 -61.482,-5.183 -60.717,-5.183 FB911.2@-60.7,-5.2 ; v1(-42.725,-15.4) v1(-42.05,-15.4) -42.05,-15.346 -41.91,-15.205 -41.91,-14.91 U201.K9@-41.9,-14.9
  Top Layer w0.25: v1(-86.725,-34.075) FB101.1@-86.725,-33.625 -85.227,-33.625 -84.7,-33.098 -84.7,-33.05 -84.575,-32.925 R111.2@-84.525,-32.925 ; U901.7@-73.924,-38.55 -73.935,-38.539 C904.1@-73.935,-37.3 -73.917,-37.282 -73.917,-36.917 v1(-73.9,-36.9) ; C322.1@-69.575,-30.55 -69.3,-30.275 -69.3,-29.65 -68.95,-29.3 FB306.2@-68.9,-29.3
  Top Layer w0.3: v1(-85.4,-74.5) R101.2@-85.4,-74 ; v1(-84.7,-46.4) FB907.2@-84.7,-45.9 C903.1@-84.03,-45.9 ; v1(-84.7,-42.8) FB903.2@-84.7,-43.3 C902.1@-84.03,-43.3 ; FB301.1@-63.2,-7.6 v2(-63.2,-6.9) ; v2(-57.1,-7.9) FB303.1@-56.5,-7.9 ; C906.1@-49.9,-5.465 -49.835,-5.4 FB922.2@-48.9,-5.4 v1(-48.9,-5.8) ; FB302.1@-47.6,-14.3 -47.6,-13.9 ; C907.1@-32.6,-5.73 -31.655,-5.73 FB923.2@-31.65,-5.725 -31.619,-5.756 -31.619,-6.181 v1(-31.6,-6.2) ; J902.1@-23.43,-18.54 -23.328,-18.642 -22.686,-18.642 -22.627,-18.7 v1(-22.6,-18.7) ; v1(-18,-24.3) -17.973,-24.3 -17.738,-24.535 R801.1@-17.525,-24.535
  Top Layer w0.4: FB504.2@-46.055,-72.42 -46.028,-72.42 -46.028,-72.972 v2(-46,-73) ; v2(-12.054,-57.398) -12.027,-57.371 -12.027,-56.775 FB604.2@-12,-56.775
  Layer 3 w0.122: v2(-46,-73) -45.325,-73 -44.25,-71.925 -44.25,-63.625 v1(-44.7,-63.175) ; v2(-12.054,-57.398) -11.898,-57.398 -10.325,-55.825 -10.325,-49.55 v1(-11.025,-48.85)
  Layer 4 w0.122: v1(-56.075,-39.775) -56.065,-39.785 v1(-56.065,-43.91) ; v1(-46.06,-59.64) -45.425,-60.275 -45.425,-61.575 -44.7,-62.3 v1(-44.7,-63.175) ; v1(-14.845,-44.155) -13.75,-45.25 -13.75,-48.075 -12.975,-48.85 v1(-11.025,-48.85)
  Bottom Layer w0.122: v1(-23.211,-55) -22.711,-54.5 FB601.1@-21.175,-54.5
  Bottom Layer w0.15: v1(-84.9,-67.65) -71.65,-67.65 -68.3,-64.3 v2(-68.3,-57.3) ; v1(-61.2,-44.2) R409.2@-56.065,-44.2 ; v1(-57,-69.33) -56.185,-70.145 FB501.1@-55.23,-70.145 ; R416.2@-56.065,-53.1 R415.2@-56.065,-51.825 -56.065,-51.35 R413.2@-56.065,-49.275 R412.2@-56.065,-48.025 R411.2@-56.065,-46.725 R410.2@-56.065,-45.475 R409.2@-56.065,-44.2 ; v1(-56.065,-43.91) R409.2@-56.065,-44.2 ; v1@-56.065,-39.775 R407.2@-56.065,-38.825 R406.2@-56.065,-37.55 R405.2@-56.065,-36.275 R404.2@-56.065,-35.025 R403.2@-56.065,-33.75 R402.2@-56.065,-32.475 R401.2@-56.065,-31.2 ; R210.2@-37.75,-14.4 -37.75,-14.45 -37.375,-14.825 v1(-37.325,-14.825) ; v1(-32.1,-39.5) -31.4,-38.8 R214.2@-28.3,-38.8
  Bottom Layer w0.3: v3(-27.625,-19.3) -27.13,-18.805 -27.13,-18.6 R904.2@-27.03,-18.5 -27.755,-18.5 -28.1,-18.155 -28.1,-16.313 -27.787,-16 R903.2@-27.03,-16 R905.2@-27.03,-14.7 ; v1(-22.6,-18.7) C901.1@-22.165,-18.7 -22.165,-18.503 -21.3,-17.638 -21.3,-17.3 R902.2@-21.2,-17.2 R901.2@-21.2,-14.7
  other v1: -84.9,-68.15 -32.7,-39.5 -32.4,-39.1 -69.85,-31.2 -47.9,-13.9 -47.3,-13.9 -49.1,-9.2 -48.5,-9.2 -47.9,-9.2 -48.8,-8.6 -48.2,-8.6 -60.602,-5.523
  other v2: -69.3,-57.3 -69.3,-56.3 -68.3,-56.3 -69.3,-55.3 -68.3,-55.3
+VDD_3V3_AUD: C801.1 C802.1 C805.1 C806.1 C807.1 C808.1 C809.1 C810.1 C818.2 C819.1 R801.2 R807.2 R809.2 R810.2 R811.2 U801.16 U801.17 U801.24 U801.25 U801.44 U802.4 U803.5 | length 29.5
  Top Layer w0.15: R811.2@-20.41,-25.85 -20.05,-26.21 U803.5@-20.05,-26.9 ; U802.4@-15.775,-39.725 -15.485,-40.015 C818.2@-15.485,-41.35 R807.2@-14.865,-41.35 -14.863,-41.352 -14.863,-41.637 -14.675,-41.825 -13.675,-41.825 -13.375,-41.525 -13.375,-37.675 -13,-37.3 -11.7,-37.3 -11.125,-36.725 v1(-11.125,-35.275) -11.108,-35.258 -10.317,-35.258 R809.2@-10.3,-35.24 R810.2@-9.7,-35.24
  Top Layer w0.25: U801.25@-15.631,-26.643 -16.642,-26.643 C810.1@-16.675,-26.61 -16.7,-26.585 -16.965,-26.585 C809.1@-17.525,-26.025 R801.2@-17.525,-25.065 -17.5,-25.04 -16.79,-25.04 C805.1@-16.725,-24.975 -16.66,-25.04 -15.975,-25.04 C807.1@-15.95,-25.065 -15.16,-25.065 -14.909,-25.316 -14.909,-25.866 U801.24@-14.881,-25.893 ; U801.44@-11.381,-32.894 -11.371,-32.904 -11.371,-34.089 C802.1@-11.36,-34.1 -11.335,-34.125 -11.335,-34.59 C801.1@-11.125,-34.8 v1(-11.125,-35.275) ; U801.17@-11.381,-25.893 -11.381,-25.181 v1(-11.2,-25) -11.159,-25 -11.087,-25.072 -11.028,-25.072 -10.881,-25.219 U801.16@-10.881,-25.893
  Top Layer w0.3: U803.5@-20.05,-26.9 -19.85,-26.9 -19.45,-27.3 C819.1@-18.7,-27.3 v1(-18.7,-26.825)
  Bottom Layer w0.25: C808.1@-11.45,-25.66 -11.45,-25.25 v1(-11.2,-25) -11.171,-25.029 -10.546,-25.029 C806.1@-10.475,-25.1
  other v1: -16.651,-25.93 -16.951,-25.53 -16.251,-25.53
+VDD_3V3_HDMI: C323.1 C324.1 C325.1 C326.1 FB306.1 R309.2 R311.2 U302.3 U302.21 U302.46 | length 13
  Top Layer w0.15: C325.1@-82.989,-22.435 v1(-82.989,-22.086) -82.989,-20.989 -82.577,-20.577 -81.944,-20.577 -81.585,-20.219 -81.585,-19.18 -81.189,-18.784 R309.2@-81.139,-18.784 ; v1(-80.125,-32.95) -80.108,-32.932 -80.108,-32.593 C324.1@-80.09,-32.575 -79.939,-32.424 U302.21@-79.939,-31.204 ; R311.2@-69.335,-23 v1(-68.975,-23)
  Top Layer w0.25: C325.1@-82.989,-22.435 -82.964,-22.46 -82.74,-22.46 -82.191,-23.009 -81.634,-23.009 U302.3@-81.624,-23.019 ; U302.46@-71.754,-26.019 -70.381,-26.019 -70.3,-26.1 C326.1@-69.865,-26.1 -69.825,-26.14 C323.1@-69.825,-27.025 ; C323.1@-69.55,-27.2 -68.928,-27.822 -68.928,-28.072 v1(-68.9,-28.1) FB306.1@-68.9,-28.5
+VDD_3V3_LVDS: C307.1 C308.1 FB302.2 U301.13 | length 8
  Top Layer w0.25: U301.13@-52,-17.508 -51.008,-17.508 -50.997,-17.497 -50.247,-17.497 C308.1@-49.95,-17.794 -48.9,-17.794 C307.1@-48.55,-18.144 -47.744,-18.144 -47.2,-17.6 -47.2,-15.5 -47.475,-15.225 -47.475,-15.175 -47.55,-15.1 FB302.2@-47.6,-15.1
+VDD_3V3_OLDI: C301.1 C302.1 C303.1 C304.1 C305.1 C306.1 FB301.2 U301.31 U301.40 U301.48 U301.56 | length 13.6
  Top Layer w0.25: C303.1@-62.4,-23.25 -62.148,-23.502 U301.56@-59.569,-23.502 ; C304.1@-62.4,-19.25 -62.161,-19.489 U301.48@-59.569,-19.489 ; C302.1@-62.4,-15.25 -62.149,-15.501 U301.40@-59.569,-15.501 ; C306.1@-62.4,-11 -62.397,-11.003 -59.572,-11.003 U301.31@-59.569,-11.006
  Top Layer w0.3: v1(-63.05,-23.25) C303.1@-62.4,-23.25 ; v1(-63.05,-19.25) C304.1@-62.4,-19.25 ; v1(-63.05,-15.25) C302.1@-62.4,-15.25
  other v1: -61.9,-9.3 -61.9,-8.7